# KiCad board openot rev2.kicad_pcb
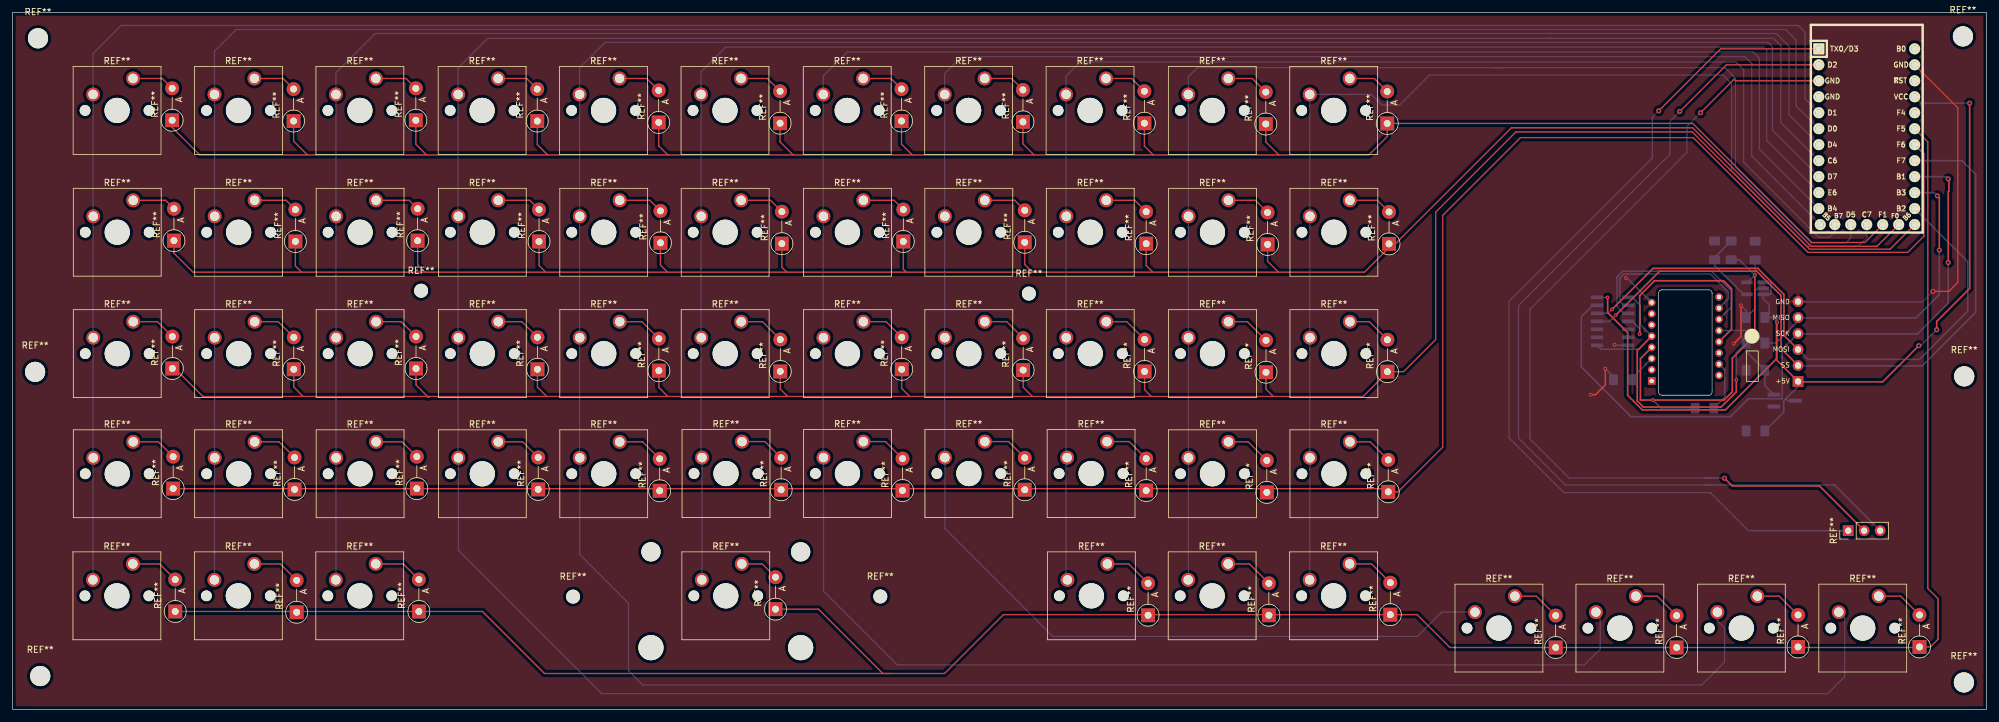
[diagram p0: board, top side]
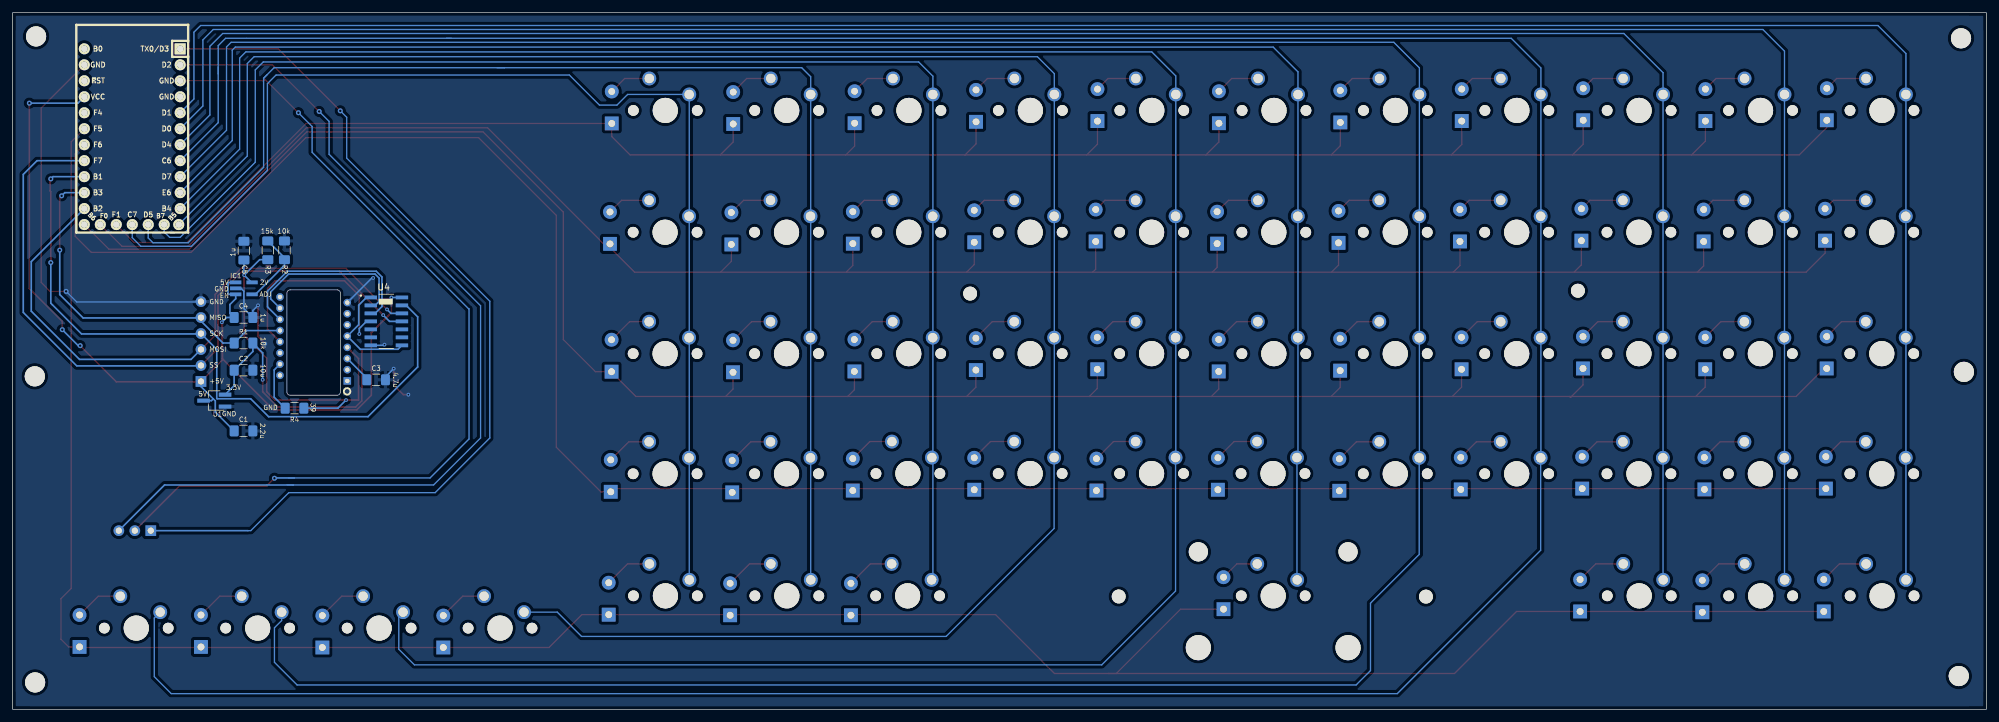
[diagram p1: board, bottom side, seen from below]

Outline 313.79 x 110.79 mm; copper layers: Top, Bottom. Coordinates in mm from the lower left corner of the outline.
Outline path: rectangle 0,110.79 313.79,0 ; 261.68,66.21 arc(261.83,66.56) 262.18,66.71 269.68,66.71 arc(270.04,66.56) 270.18,66.21 270.18,50.46 arc(270.04,50.1) 269.68,49.96 262.18,49.96 arc(261.83,50.1) 261.68,50.46 261.68,66.21
Stack: Top 0.035mm / dielectric 1.51mm FR4 er 4.5 / Bottom 0.035mm

## Placement (name value [footprint] x y rotation side)
C1  2.2uF  [C_1206_3216Metric_Pad1.42x1.75mm_HandSolder]  277.08 44.28 180 bottom
C2  10uF  [C_1206_3216Metric_Pad1.42x1.75mm_HandSolder]  277.08 53.93 180 bottom
C3  4.7uF  [C_1206_3216Metric_Pad1.42x1.75mm_HandSolder]  256 52.41 180 bottom
C4  1uF  [C_1206_3216Metric_Pad1.42x1.75mm_HandSolder]  277.08 62.32 180 bottom
C5  1uF  [C_1206_3216Metric_Pad1.42x1.75mm_HandSolder]  277.02 72.95 90 bottom
IC1  AP7335-WG-7  [AP7331]  277.02 66.95 180 bottom
J1  Conn_01x06_Female  [PinHeader_1x06_P2.54mm_Vertical]  283.85 64.85 0 top
NOREF  -  []  266.42 76.86 0 top
NOREF#2  -  []  265.58 76.75 0 top
R1  10k  [R_1206_3216Metric_Pad1.42x1.75mm_HandSolder]  277.08 58.25 0 bottom
R2  10k  [R_1206_3216Metric_Pad1.42x1.75mm_HandSolder]  270.57 73 90 bottom
R3  15k  [R_1206_3216Metric_Pad1.42x1.75mm_HandSolder]  273.22 73 270 bottom
R4  39  [R_1206_3216Metric_Pad1.42x1.75mm_HandSolder]  268.97 47.9 0 bottom
REF**  -  [SW_Cherry_MX_1.00u_PCB]  96.52 61.65 0 top
REF**#2  -  [D_DO-41_SOD81_P5.08mm_Vertical_AnodeUp]  122.18 34.93 90 top
REF**#3  -  [SW_Cherry_MX_1.00u_PCB]  57.75 100.32 0 top
REF**#4  -  [MountingHole_3.2mm_M3]  310.06 107.01 0 top
REF**#5  -  [SW_Cherry_MX_1.00u_PCB]  57.73 23.14 0 top
REF**#6  -  [D_DO-41_SOD81_P5.08mm_Vertical_AnodeUp]  25.53 35.11 90 top
REF**#7  -  [SW_Cherry_MX_1.00u_PCB]  173.86 61.65 0 top
REF**#8  -  [D_DO-41_SOD81_P5.08mm_Vertical_AnodeUp]  179.96 53.74 90 top
REF**#9  -  [MountingHole_2.2mm_M2]  137.95 17.96 0 top
REF**#10  -  [D_DO-41_SOD81_P5.08mm_Vertical_AnodeUp]  102.71 93.33 90 top
REF**#11  -  [SW_Cherry_MX_1.00u_PCB]  174.04 23.14 0 top
REF**#12  -  [SW_Cherry_MX_1.00u_PCB]  135.26 42.58 0 top
REF**#13  -  [MountingHole_3.2mm_M3]  310.26 52.96 0 top
REF**#14  -  [D_DO-41_SOD81_P5.08mm_Vertical_AnodeUp]  25.65 74.53 90 top
REF**#15  -  [D_DO-41_SOD81_P5.08mm_Vertical_AnodeUp]  180.52 14.98 90 top
REF**#16  -  [D_DO-41_SOD81_P5.08mm_Vertical_AnodeUp]  25.37 93.68 90 top
REF**#17  -  [D_DO-41_SOD81_P5.08mm_Vertical_AnodeUp]  122.05 53.74 90 top
REF**#18  -  [SW_Cherry_MX_1.00u_PCB]  19.18 80.95 0 top
REF**#19  -  [SW_Cherry_MX_1.00u_PCB]  115.82 80.95 0 top
REF**#20  -  [SW_Cherry_MX_2.75u_PCB]  115.93 23.14 0 top
REF**#21  -  [D_DO-41_SOD81_P5.08mm_Vertical_AnodeUp]  218.69 34.6 90 top
REF**#22  -  [D_DO-41_SOD81_P5.08mm_Vertical_AnodeUp]  83.44 54.08 90 top
REF**#23  -  [D_DO-41_SOD81_P5.08mm_Vertical_AnodeUp]  44.96 74.4 90 top
REF**#24  -  [D_DO-41_SOD81_P5.08mm_Vertical_AnodeUp]  102.87 34.76 90 top
REF**#25  -  [SW_Cherry_MX_1.00u_PCB]  212.55 23.14 0 top
REF**#26  -  [D_DO-41_SOD81_P5.08mm_Vertical_AnodeUp]  141.48 34.8 90 top
REF**#27  -  [SW_Cherry_MX_1.00u_PCB]  19.15 100.32 0 top
REF**#28  -  [MountingHole_2.2mm_M2]  64.95 66.57 0 top
REF**#29  -  [SW_Cherry_MX_1.00u_PCB]  77.22 80.95 0 top
REF**#30  -  [D_DO-41_SOD81_P5.08mm_Vertical_AnodeUp]  25.4 54.21 90 top
REF**#31  -  [SW_Cherry_MX_1.00u_PCB]  38.43 23.14 0 top
REF**#32  -  [D_DO-41_SOD81_P5.08mm_Vertical_AnodeUp]  64.59 15.57 90 top
REF**#33  -  [D_DO-41_SOD81_P5.08mm_Vertical_AnodeUp]  160.62 93.42 90 top
REF**#34  -  [MountingHole_3.2mm_M3]  3.58 53.67 0 top
REF**#35  -  [D_DO-41_SOD81_P5.08mm_Vertical_AnodeUp]  303.15 9.94 90 top
REF**#36  -  [D_DO-41_SOD81_P5.08mm_Vertical_AnodeUp]  160.91 74.27 90 top
REF**#37  -  [SW_Cherry_MX_1.00u_PCB]  38.48 61.65 0 top
REF**#38  -  [SW_Cherry_MX_1.00u_PCB]  57.78 42.54 0 top
REF**#39  -  [SW_Cherry_MX_1.00u_PCB]  19.18 42.54 0 top
REF**#40  -  [D_DO-41_SOD81_P5.08mm_Vertical_AnodeUp]  45.16 15.45 90 top
REF**#41  -  [SW_Cherry_MX_1.00u_PCB]  193.29 42.54 0 top
REF**#42  -  [SW_Cherry_MX_1.00u_PCB]  38.48 42.54 0 top
REF**#43  -  [D_DO-41_SOD81_P5.08mm_Vertical_AnodeUp]  102.74 53.86 90 top
REF**#44  -  [D_DO-41_SOD81_P5.08mm_Vertical_AnodeUp]  25.86 15.57 90 top
REF**#45  -  [MountingHole_3.2mm_M3]  4.04 106.71 0 top
REF**#46  -  [SW_Cherry_MX_1.00u_PCB]  115.96 42.58 0 top
REF**#47  -  [D_DO-41_SOD81_P5.08mm_Vertical_AnodeUp]  283.85 9.94 90 top
REF**#48  -  [SW_Cherry_MX_1.00u_PCB]  296.67 18.01 0 top
REF**#49  -  [SW_Cherry_MX_1.00u_PCB]  135.22 100.32 0 top
REF**#50  -  [D_DO-41_SOD81_P5.08mm_Vertical_AnodeUp]  245.31 9.84 90 top
REF**#51  -  [D_DO-41_SOD81_P5.08mm_Vertical_AnodeUp]  218.54 93.17 90 top
REF**#52  -  [SW_Cherry_MX_1.00u_PCB]  96.49 100.32 0 top
REF**#53  -  [D_DO-41_SOD81_P5.08mm_Vertical_AnodeUp]  218.82 74.02 90 top
REF**#54  -  [SW_Cherry_MX_1.00u_PCB]  173.86 80.95 0 top
REF**#55  -  [SW_Cherry_MX_1.00u_PCB]  135.25 80.95 0 top
REF**#56  -  [D_DO-41_SOD81_P5.08mm_Vertical_AnodeUp]  160.65 53.95 90 top
REF**#57  -  [D_DO-41_SOD81_P5.08mm_Vertical_AnodeUp]  64.26 35.11 90 top
REF**#58  -  [D_DO-41_SOD81_P5.08mm_Vertical_AnodeUp]  64.1 93.68 90 top
REF**#59  -  [SW_Cherry_MX_1.00u_PCB]  135.25 61.65 0 top
REF**#60  -  [D_DO-41_SOD81_P5.08mm_Vertical_AnodeUp]  180.21 74.06 90 top
REF**#61  -  [SW_Cherry_MX_1.00u_PCB]  77.19 100.32 0 top
REF**#62  -  [SW_Cherry_MX_1.00u_PCB]  77.22 42.54 0 top
REF**#63  -  [SW_Cherry_MX_1.00u_PCB]  193.29 80.95 0 top
REF**#64  -  [SW_Cherry_MX_1.00u_PCB]  57.78 80.95 0 top
REF**#65  -  [SW_Cherry_MX_1.00u_PCB]  212.6 80.95 0 top
REF**#66  -  [SW_Cherry_MX_1.00u_PCB]  212.57 100.32 0 top
REF**#67  -  [D_DO-41_SOD81_P5.08mm_Vertical_AnodeUp]  264.54 9.84 90 top
REF**#68  -  [D_DO-41_SOD81_P5.08mm_Vertical_AnodeUp]  83.69 74.4 90 top
REF**#69  -  [D_DO-41_SOD81_P5.08mm_Vertical_AnodeUp]  199.23 93.08 90 top
REF**#70  -  [SW_Cherry_MX_1.00u_PCB]  173.83 100.32 0 top
REF**#71  -  [D_DO-41_SOD81_P5.08mm_Vertical_AnodeUp]  83.41 93.55 90 top
REF**#72  -  [SW_Cherry_MX_1.00u_PCB]  173.99 42.58 0 top
REF**#73  -  [SW_Cherry_MX_1.00u_PCB]  212.6 42.54 0 top
REF**#74  -  [D_DO-41_SOD81_P5.08mm_Vertical_AnodeUp]  179.93 93.21 90 top
REF**#75  -  [PinHeader_1x03_P2.54mm_Vertical]  291.82 28.42 90 top
REF**#76  -  [D_DO-41_SOD81_P5.08mm_Vertical_AnodeUp]  44.7 54.08 90 top
REF**#77  -  [D_DO-41_SOD81_P5.08mm_Vertical_AnodeUp]  199.39 34.51 90 top
REF**#78  -  [SW_Cherry_MX_1.00u_PCB]  57.78 61.65 0 top
REF**#79  -  [D_DO-41_SOD81_P5.08mm_Vertical_AnodeUp]  44.67 93.55 90 top
REF**#80  -  [D_DO-41_SOD81_P5.08mm_Vertical_AnodeUp]  141.32 93.55 90 top
REF**#81  -  [SW_Cherry_MX_1.00u_PCB]  96.52 80.95 0 top
REF**#82  -  [SW_Cherry_MX_1.00u_PCB]  115.79 100.32 0 top
REF**#83  -  [SW_Cherry_MX_1.00u_PCB]  277.37 18.01 0 top
REF**#84  -  [D_DO-41_SOD81_P5.08mm_Vertical_AnodeUp]  122.3 74.06 90 top
REF**#85  -  [D_DO-41_SOD81_P5.08mm_Vertical_AnodeUp]  218.57 53.7 90 top
REF**#86  -  [D_DO-41_SOD81_P5.08mm_Vertical_AnodeUp]  141.61 74.4 90 top
REF**#87  -  [D_DO-41_SOD81_P5.08mm_Vertical_AnodeUp]  180.22 34.8 90 top
REF**#88  -  [D_DO-41_SOD81_P5.08mm_Vertical_AnodeUp]  64.14 54.21 90 top
REF**#89  -  [D_DO-41_SOD81_P5.08mm_Vertical_AnodeUp]  83.57 34.98 90 top
REF**#90  -  [D_DO-41_SOD81_P5.08mm_Vertical_AnodeUp]  64.39 74.53 90 top
REF**#91  -  [SW_Cherry_MX_1.00u_PCB]  77.22 61.65 0 top
REF**#92  -  [SW_Cherry_MX_1.00u_PCB]  258.06 18.01 0 top
REF**#93  -  [SW_Cherry_MX_1.00u_PCB]  154.56 42.58 0 top
REF**#94  -  [SW_Cherry_MX_1.00u_PCB]  154.53 100.32 0 top
REF**#95  -  [D_DO-41_SOD81_P5.08mm_Vertical_AnodeUp]  122.02 93.21 90 top
REF**#96  -  [SW_Cherry_MX_1.00u_PCB]  193.24 23.14 0 top
REF**#97  -  [SW_Cherry_MX_1.00u_PCB]  38.45 100.32 0 top
REF**#98  -  [SW_Cherry_MX_1.00u_PCB]  19.13 23.14 0 top
REF**#99  -  [SW_Cherry_MX_1.00u_PCB]  238.84 18.01 0 top
REF**#100  -  [D_DO-41_SOD81_P5.08mm_Vertical_AnodeUp]  219.02 15.07 90 top
REF**#101  -  [MountingHole_2.2mm_M2]  161.57 66.12 0 top
REF**#102  -  [D_DO-41_SOD81_P5.08mm_Vertical_AnodeUp]  160.91 34.93 90 top
REF**#103  -  [MountingHole_3.2mm_M3]  4.39 5.31 0 top
REF**#104  -  [D_DO-41_SOD81_P5.08mm_Vertical_AnodeUp]  141.35 54.08 90 top
REF**#105  -  [SW_Cherry_MX_1.00u_PCB]  193.29 61.65 0 top
REF**#106  -  [SW_Cherry_MX_1.00u_PCB]  115.82 61.65 0 top
REF**#107  -  [SW_Cherry_MX_1.00u_PCB]  38.48 80.95 0 top
REF**#108  -  [D_DO-41_SOD81_P5.08mm_Vertical_AnodeUp]  199.72 14.98 90 top
REF**#109  -  [D_DO-41_SOD81_P5.08mm_Vertical_AnodeUp]  199.52 73.93 90 top
REF**#110  -  [SW_Cherry_MX_1.00u_PCB]  212.6 61.65 0 top
REF**#111  -  [SW_Cherry_MX_1.00u_PCB]  154.56 80.95 0 top
REF**#112  -  [SW_Cherry_MX_1.00u_PCB]  96.52 42.54 0 top
REF**#113  -  [D_DO-41_SOD81_P5.08mm_Vertical_AnodeUp]  44.83 34.98 90 top
REF**#114  -  [SW_Cherry_MX_1.00u_PCB]  19.18 61.65 0 top
REF**#115  -  [D_DO-41_SOD81_P5.08mm_Vertical_AnodeUp]  103 74.18 90 top
REF**#116  -  [MountingHole_2.2mm_M2]  89.1 17.93 0 top
REF**#117  -  [D_DO-41_SOD81_P5.08mm_Vertical_AnodeUp]  199.26 53.61 90 top
REF**#118  -  [D_DO-41_SOD81_P5.08mm_Vertical_AnodeUp]  121.29 15.94 90 top
REF**#119  -  [SW_Cherry_MX_1.00u_PCB]  193.26 100.32 0 top
REF**#120  -  [MountingHole_3.2mm_M3]  310.21 4.29 0 top
REF**#121  -  [SW_Cherry_MX_1.00u_PCB]  154.56 61.65 0 top
U1  -  [Elite-C]  294.77 91.06 270 top
U1#2  XC6206P332MR  [TSOT-23_HandSoldering]  281.72 49.1 0 bottom
U2  PMW3360DM-T2QU  [DIP-16_W10.16mm]  261.68 50.71 0 bottom
U4  TXS0104EDR  [SOIC127P600X175-14N]  254.37 61.7 180 bottom

## Library data of the parts
C1 = -: LCSC: C1858
C2 = -: LCSC: C152957
C3 = -: LCSC: C29823
C4 C5 = -: LCSC: C1926
IC1 = -: Description: LDO Voltage Regulators LDO SOT-25 ADJUSTABLE 300MA; Arrow Part Number: AP7331-WG-7; Arrow Price/Stock: https://www.arrow.com/en/products/ap7331-wg-7/diodes-incorporated?region=nac; Height: 1.45; LCSC: C460382; Manufacturer_Name: Diodes Inc.; Manufacturer_Part_Number: AP7331-WG-7; Mouser Part Number: 621-AP7331-WG-7; Mouser Price/Stock: https://www.mouser.co.uk/ProductDetail/Diodes-Incorporated/AP7331-WG-7?qs=vIZ3oKQCLxr9PiNSCoXN%2FQ%3D%3D
R1 R2 = -: LCSC: C328409
R3 = -: LCSC: C351534
R4 = -: LCSC: C153384
U1#2 = -: LCSC: C347376
U4 = -: LCSC: C79342

## Footprints (pads in the part's own frame, mm; a bottom-side part is the same pattern mirrored in y, then rotated)
AP7331
  rect 1.8x0.6 smd: 1(-1.3,0.95) 2(-1.3,0) 3(-1.3,-0.95) 4(1.3,-0.95) 5(1.3,0.95)
C_1206_3216Metric_Pad1.42x1.75mm_HandSolder
  rrect 1.425x1.75 smd: 1(-1.488,0) 2(1.488,0)
D_DO-41_SOD81_P5.08mm_Vertical_AnodeUp
  rect 2.2x2.2 hole 1.1: 1(0,0)
  oval 2.2x2.2 hole 1.1: 2(5.08,0)
DIP-16_W10.16mm
  rect 1.2x1.2 hole 0.7: 1(-1.1,-1.52)
  round 1.2 hole 0.7: 2(-1.1,-3.3) 3(-1.1,-5.08) 4(-1.1,-6.86) 5(-1.1,-8.64) 6(-1.1,-10.42) 7(-1.1,-12.2) 8(-1.1,-13.98) 9(9.6,-14.87) 10(9.6,-13.09) 11(9.6,-11.31) 12(9.6,-9.53) 13(9.6,-7.75) 14(9.6,-5.97) 15(9.6,-4.19) 16(9.6,-2.41)
Elite-C
  rect 1.753x1.753 hole 1.092: 1(-13.97,-7.62)
  round 1.753 hole 1.092: 2(-11.43,-7.62) 3(-8.89,-7.62) 4(-6.35,-7.62) 5(-3.81,-7.62) 6(-1.27,-7.62) 7(1.27,-7.62) 8(3.81,-7.62) 9(6.35,-7.62) 10(8.89,-7.62) 11(11.43,-7.62) 12(13.97,-7.391) 13(13.97,7.62) 14(11.43,7.62) 15(8.89,7.62) 16(6.35,7.62) 17(3.81,7.62) 18(1.27,7.62) 19(-1.27,7.62) 20(-3.81,7.62) 21(-6.35,7.62) 22(-8.89,7.62) 23(-11.43,7.62) 24(-13.97,7.62) 25(13.97,-5.08) 26(13.97,-2.54) 27(13.97,0) 28(13.97,2.54) 29(13.97,5.08)
MountingHole_2.2mm_M2
  round 2.2 hole 2.2 unplated: (0,0)
MountingHole_3.2mm_M3
  round 3.2 hole 3.2 unplated: (0,0)
PinHeader_1x03_P2.54mm_Vertical
  rect 1.7x1.7 hole 1: 1(0,0)
  oval 1.7x1.7 hole 1: 2(0,-2.54) 3(0,-5.08)
PinHeader_1x06_P2.54mm_Vertical
  oval 1.7x1.7 hole 1: 1(0,0) 2(0,-2.54) 3(0,-5.08) 4(0,-7.62) 5(0,-10.16)
  rect 1.7x1.7 hole 1: 6(0,-12.7)
R_1206_3216Metric_Pad1.42x1.75mm_HandSolder
  rrect 1.425x1.75 smd: 1(-1.488,0) 2(1.488,0)
SOIC127P600X175-14N
  rect 1.97x0.6 smd: 1(-2.475,3.81) 2(-2.475,2.54) 3(-2.475,1.27) 4(-2.475,0) 5(-2.475,-1.27) 6(-2.475,-2.54) 7(-2.475,-3.81) 8(2.475,-3.81) 9(2.475,-2.54) 10(2.475,-1.27) 11(2.475,0) 12(2.475,1.27) 13(2.475,2.54) 14(2.475,3.81)
SW_Cherry_MX_1.00u_PCB
  round 1.7 hole 1.7 unplated: (-7.62,-5.08) (2.54,-5.08)
  round 4 hole 4 unplated: (-2.54,-5.08)
  round 2.2 hole 1.5: 1(0,0) 2(-6.35,-2.54)
SW_Cherry_MX_2.75u_PCB
  round 3.05 hole 3.05 unplated: (-14.44,1.92) (9.36,1.92)
  round 4 hole 4 unplated: (-14.44,-13.32) (-2.54,-5.08) (9.36,-13.32)
  round 1.7 hole 1.7 unplated: (-7.62,-5.08) (2.54,-5.08)
  round 2.2 hole 1.5: 1(0,0) 2(-6.35,-2.54)
TSOT-23_HandSoldering
  rect 2x0.65 smd: 1(-1.71,0.95) 2(-1.71,-0.95) 3(1.71,0)

## Nets
GND: C1.2 C2.2 C3.2 C4.2 C5.2 IC1.2 J1.1 R2.2 U1#2.1 U2.8 U4.7
VDD_2V: C5.1 IC1.5 R3.2 R4.1 U2.4
VDD_3.3V: C2.1 R1.1 U1#2.2 U2.5 U4.1 U4.8
VDD_5V: C1.1 C4.1 IC1.1 IC1.3 J1.6 U1#2.3 U4.14
MISO: J1.2 R1.2 U2.12
MOSI: U2.11 U4.3
MOSI_I: J1.4 U1.14 U4.12
NCS: U2.13 U4.4
NCS_I: J1.5 U4.11
SCLK: U2.10 U4.2
SCLK_I: J1.3 U4.13
Net-(C3-Pad1): C3.1 U2.3
Net-(IC1-Pad4): IC1.4 R2.1 R3.1
Net-(R4-Pad2): R4.2 U2.15

Pads without a net: REF** 1 2; REF**#2 1 2; REF**#3 1 2; REF**#5 1 2; REF**#6 1 2; REF**#7 1 2; REF**#8 1 2; REF**#10 1 2; REF**#11 1 2; REF**#12 1 2; REF**#14 1 2; REF**#15 1 2; REF**#16 1 2; REF**#17 1 2; REF**#18 1 2; REF**#19 1 2; REF**#20 1 2; REF**#21 1 2; REF**#22 1 2; REF**#23 1 2; REF**#24 1 2; REF**#25 1 2; REF**#26 1 2; REF**#27 1 2; REF**#29 1 2; REF**#30 1 2; REF**#31 1 2; REF**#32 1 2; REF**#33 1 2; REF**#35 1 2; REF**#36 1 2; REF**#37 1 2; REF**#38 1 2; REF**#39 1 2; REF**#40 1 2; REF**#41 1 2; REF**#42 1 2; REF**#43 1 2; REF**#44 1 2; REF**#46 1 2; REF**#47 1 2; REF**#48 1 2; REF**#49 1 2; REF**#50 1 2; REF**#51 1 2; REF**#52 1 2; REF**#53 1 2; REF**#54 1 2; REF**#55 1 2; REF**#56 1 2; REF**#57 1 2; REF**#58 1 2; REF**#59 1 2; REF**#60 1 2; REF**#61 1 2; REF**#62 1 2; REF**#63 1 2; REF**#64 1 2; REF**#65 1 2; REF**#66 1 2; REF**#67 1 2; REF**#68 1 2; REF**#69 1 2; REF**#70 1 2; REF**#71 1 2; REF**#72 1 2; REF**#73 1 2; REF**#74 1 2; REF**#75 1 2 3; REF**#76 1 2; REF**#77 1 2; REF**#78 1 2; REF**#79 1 2; REF**#80 1 2; REF**#81 1 2; REF**#82 1 2; REF**#83 1 2; REF**#84 1 2; REF**#85 1 2; REF**#86 1 2; REF**#87 1 2; REF**#88 1 2; REF**#89 1 2; REF**#90 1 2; REF**#91 1 2; REF**#92 1 2; REF**#93 1 2; REF**#94 1 2; REF**#95 1 2; REF**#96 1 2; REF**#97 1 2; REF**#98 1 2; REF**#99 1 2; REF**#100 1 2; REF**#102 1 2; REF**#104 1 2; REF**#105 1 2; REF**#106 1 2; REF**#107 1 2; REF**#108 1 2; REF**#109 1 2; REF**#110 1 2; REF**#111 1 2; REF**#112 1 2; REF**#113 1 2; REF**#114 1 2; REF**#115 1 2; REF**#117 1 2; REF**#118 1 2; REF**#119 1 2; REF**#121 1 2; U1 1 2 3 4 5 6 7 8 9 10 11 12 13 15 16 17 18 19 20 21 22 23 24 25 26 27 28 29; U2 1 2 6 7 9 14 16; U4 5 6 9 10

## Via types
v1: diameter 0.8, hole 0.4, Top to Bottom, 12 vias
v2: diameter 0.6, hole 0.3, Top to Bottom, 14 vias

## Routing (per net, layer and track width the routed paths; a pad name or vN(x,y) marks a point on that pad's centre or on a via; arc(x,y) is an arc through that point)
GND: length 95.5
  Top w0.2: 302.39,102.49 309.25,95.63 309.25,67.89 307.82,66.47 v1(305.28,66.47)
  Top w0.25: v2(273.62,58.15) 274.77,59.3 v2(274.77,64.25) ; v2(253.2,54.19) 253.2,51.59 251.66,50.05 v2(250.87,50.05)
  Bottom w0.2: 283.4,64.78 303.59,64.78 v1(305.28,66.47)
  Bottom w0.25: v2(274.77,64.25) 275.59,63.42 C4.2 277.02,63.74 277.02,66.5 277.47,66.95 IC1.2 ; U4.7 254.78,57.89 v2(254.67,58) ; U2.8 256.67,68.6 v2(256.47,68.6) ; C3.2 254.51,52.88 v2(253.2,54.19)
VDD_2V: length 60.5
  Top w0.25: U2.4 258.79,55.78 258.79,49.18 v2(260.78,49.18) 272.08,49.18 273.4,50.51 273.4,55.84 276.97,59.41 v2(276.97,69.05)
  Bottom w0.25: v2(276.97,69.05) 274.51,71.51 R3.2 ; v2(276.97,69.05) 277.02,69.1 C5.1 ; v2(276.97,69.05) 275.82,67.9 IC1.5 ; R4.1 262.07,47.9 v2(260.78,49.18)
VDD_3.3V: length 64.8
  Top w0.25: U2.5 258.28,57.05 258.28,49.06 259.27,48.07 271.6,48.07 274.03,50.5 v2(274.03,52.41)
  Bottom w0.25: U4.8 252.52,57.26 258.49,57.26 U2.5 258.77,61.16 258.77,64.27 257.53,65.51 U4.1 ; v2(274.03,52.41) 274.03,56.69 R1.1 275.59,56.91 C2.1 278.57,51.48 280,50.05 U1#2.2
VDD_5V: length 159.3
  Top w0.25: 280.44,61.36 280.44,55.77 272.29,47.62 259.08,47.62 256.76,49.94 256.76,59.91 253.57,63.1 v2(253.57,65.5) ; 280.44,61.36 280.52,61.44 v2(280.52,61.55) ; 280.44,61.36 280.44,55.55 J1.6 ; v1(305.89,60.38) 305.89,61.7 311.12,66.93 v1(311.12,96.39) ; v1(303.05,57.84) 297.29,52.08 283.4,52.08
  Bottom w0.25: v1(305.89,60.38) 303.35,57.84 v1(303.05,57.84) ; 302.39,97.41 303.4,96.39 v1(311.12,96.39) ; U4.14 251.91,65.5 v2(253.57,65.5) ; 281.89,49.38 281.56,49.05 281.56,47.28 C1.1 ; 281.89,49.38 282.17,49.1 U1#2.3 ; 281.89,49.38 283.85,51.33 J1.6 ; C4.1 279.25,62.99 279.25,64.37 278.32,65.3 IC1.3 279.47,66 279.55,66.07 279.55,67.82 279.47,67.9 IC1.1 ; C4.1 278.28,62.6 ; C4.1 279.76,62.32 v2(280.52,61.55)
(no net): length 6370.4
  Top w0.2: REF**#80.1 141.32,89.87 143.03,88.16 ; REF**#2.2 119.6,42.58 REF**#46.1 ; REF**#84.1 122.3,70.28 123.06,69.52 ; REF**#87.2 177.51,42.58 REF**#72.1 ; REF**#89.2 81.08,42.54 REF**#62.1 ; REF**#17.1 122.05,50.93 123.22,49.76 ; 46.2,49.76 44.7,51.26 REF**#76.1 ; 46.2,49.76 30.25,49.76 25.8,54.21 REF**#30.1 ; 46.2,49.76 66.27,49.76 ; 142.06,69.52 141.61,69.98 REF**#86.1 ; 142.06,69.52 123.06,69.52 ; 142.06,69.52 162.13,69.52 ; 124.08,88.16 122.02,90.23 REF**#95.1 ; 124.08,88.16 104.17,88.16 ; 124.08,88.16 143.03,88.16 ; 104.11,69.52 123.06,69.52 ; 104.11,69.52 103,70.64 REF**#115.1 ; 104.11,69.52 84.76,69.52 ; v1(265.05,95.07) 272.47,102.49 U1.2 ; REF**#60.1 180.21,70.59 181.18,69.62 181.18,69.52 ; 181.03,49.76 179.96,50.83 REF**#8.1 ; 181.03,49.76 200.43,49.76 ; 181.03,49.76 162.13,49.76 ; REF**#51.2 216.47,100.32 REF**#66.1 ; 143.03,88.16 162.38,88.16 ; 84.76,69.52 83.69,70.59 REF**#68.1 ; 84.76,69.52 65.56,69.52 ; REF**#3.1 62.54,100.32 REF**#58.2 ; REF**#11.1 177.43,23.14 REF**#15.2 ; REF**#53.2 216.97,80.95 REF**#65.1 ; REF**#18.1 24.31,80.95 25.65,79.61 ; REF**#104.2 138.87,61.65 REF**#59.1 ; REF**#97.1 42.99,100.32 REF**#79.2 ; REF**#80.2 139.63,100.32 REF**#49.1 ; REF**#77.2 196.43,42.54 REF**#41.1 ; 162.38,88.16 181.33,88.16 ; 162.38,88.16 160.62,89.92 REF**#33.1 ; REF**#37.1 42.22,61.65 REF**#76.2 ; REF**#30.2 23.04,61.65 REF**#114.1 ; REF**#71.1 83.41,89.82 85.06,88.16 ; REF**#60.2 178.4,80.95 REF**#54.1 ; 46.86,88.16 44.67,90.35 REF**#79.1 ; 46.86,88.16 65.81,88.16 ; 46.86,88.16 29.74,88.16 25.37,92.54 REF**#16.1 ; 181.18,69.52 201.24,69.52 ; 181.18,69.52 162.13,69.52 ; 201.24,69.52 199.52,71.25 REF**#109.1 ; 201.24,69.52 214.91,69.52 218.82,73.43 REF**#53.1 219.82,74.02 238.28,92.48 267.08,92.48 285.88,73.69 ; REF**#96.1 196.64,23.14 REF**#108.2 ; 123.22,49.76 142.62,49.76 ; 123.22,49.76 104.17,49.76 ; U1.29 296.39,73.63 285.88,73.63 ; U1.1 271.55,105.03 v1(261.7,95.17) ; 65.81,88.16 85.06,88.16 ; 65.81,88.16 64.1,89.87 REF**#58.1 ; REF**#48.1 300.16,18.01 REF**#35.2 ; REF**#17.2 119.22,61.65 REF**#106.1 ; 139.6,5.72 148.16,5.72 157.51,15.07 REF**#100.1 223.29,15.07 228.51,9.84 REF**#50.1 303.06,9.84 REF**#35.1 304.88,9.94 306.1,11.15 306.1,17.6 304.47,19.23 304.47,90.25 U1.19 ; 139.6,5.72 84.56,5.72 74.7,15.57 REF**#44.1 ; 139.6,5.72 138.33,5.72 128.11,15.94 REF**#118.1 ; REF**#69.1 199.23,90.23 201.3,88.16 ; 85.06,88.16 104.17,88.16 ; REF**#73.1 215.83,42.54 REF**#21.2 ; 66.27,49.76 66.17,49.66 66.07,49.66 64.14,51.59 REF**#88.1 ; 66.27,49.76 84.91,49.76 ; REF**#7.1 177.13,61.65 REF**#8.2 ; REF**#38.1 61.9,42.54 REF**#57.2 ; REF**#36.2 159.31,80.95 REF**#111.1 ; REF**#88.2 61.78,61.65 REF**#78.1 ; REF**#40.2 42.55,23.14 REF**#31.1 ; REF**#74.1 179.93,89.57 181.33,88.16 ; REF**#22.1 83.44,51.23 84.91,49.76 ; REF**#121.1 158.04,61.65 REF**#56.2 ; 200.43,49.76 199.26,50.93 REF**#117.1 ; 200.43,49.76 214.71,49.76 218.57,53.62 REF**#85.1 221.14,53.7 226.24,58.8 226.24,79.07 238.99,91.82 267.03,91.82 285.67,73.18 298.48,73.18 U1.13 ; REF**#43.1 102.74,51.18 104.17,49.76 ; 162.13,49.76 160.65,51.23 REF**#56.1 ; 162.13,49.76 142.62,49.76 ; U1.28 294.46,74.24 286.03,74.24 267.1,93.17 REF**#51.1 218.54,91.08 215.62,88.16 201.3,88.16 ; 142.62,49.76 141.35,51.03 REF**#104.1 ; 181.33,88.16 201.3,88.16 ; REF**#67.2 261.46,18.01 REF**#92.1 ; REF**#50.2 242.23,18.01 REF**#99.1 ; U1.3 273.89,99.95 273.69,100.15 273.63,100.15 v1(268.35,94.87) ; REF**#119.1 197.07,100.32 REF**#69.2 ; REF**#43.2 100.04,61.65 REF**.1 ; REF**#23.2 43.49,80.95 REF**#107.1 ; REF**#90.1 64.39,70.69 65.56,69.52 ; REF**#82.1 119.98,100.32 REF**#95.2 ; REF**#84.2 120.49,80.95 REF**#19.1 ; 104.17,88.16 102.71,89.62 REF**#10.1 ; REF**#25.1 216.03,23.14 REF**#100.2 ; REF**#70.1 177.9,100.32 REF**#74.2 ; REF**#6.2 23.17,42.54 REF**#39.1 ; REF**#98.1 23.37,23.14 REF**#44.2 ; REF**#71.2 81.72,100.32 REF**#61.1 ; 84.91,49.76 104.17,49.76 ; 218.57,58.78 215.7,61.65 REF**#110.1 ; REF**#52.1 100.81,100.32 REF**#10.2 ; REF**#91.1 80.95,61.65 REF**#22.2 ; 285.48,73.64 285.48,73.59 ; REF**#20.1 119.17,23.14 REF**#118.2 ; 45.95,69.52 65.56,69.52 ; 45.95,69.52 28.68,69.52 25.65,72.54 REF**#14.1 ; 45.95,69.52 44.96,70.51 REF**#23.1 ; REF**#83.1 280.85,18.01 REF**#47.2 ; REF**#64.1 63.05,80.95 64.39,79.61 ; REF**#12.1 138.78,42.58 REF**#26.2 ; REF**#24.2 100.17,42.54 REF**#112.1 ; U1.18 303.86,88.32 303.86,75.26 301.27,72.67 285.42,72.67 267.18,90.91 239.7,90.91 227.36,78.56 227.36,41.68 220.27,34.6 REF**#21.1 218.19,35.11 REF**#6.1 ; 162.13,69.52 160.91,70.74 REF**#36.1 ; REF**#93.1 158.34,42.58 REF**#102.2 ; REF**#113.2 42.35,42.54 REF**#42.1 ; REF**#55.1 140.14,80.95 REF**#86.2 ; REF**#115.2 101.31,80.95 REF**#81.1 ; REF**#5.1 62.11,23.14 REF**#32.2 ; REF**#33.2 158.81,100.32 REF**#94.1 ; REF**#27.1 23.81,100.32 REF**#16.2 ; REF**#117.2 196.31,61.65 REF**#105.1 ; REF**#68.2 82.22,80.95 REF**#29.1 ; REF**#63.1 197.58,80.95 REF**#109.2
  Top w0.25: REF**#75.2 287.25,35.53 273.38,35.53 v1(272.16,36.75)
  Bottom w0.2: 273.89,100.36 273.33,100.91 ; 273.89,100.36 273.89,86.18 285.88,74.19 291.47,74.19 292.23,74.96 U1.26 ; 273.89,100.36 272.21,102.03 235.59,102.03 ; 276.58,106.71 279.93,106.71 281.1,105.54 281.1,101.07 ; U1.25 289.69,75.92 288.82,75.06 287.15,75.06 275.21,86.99 275.21,101.68 273.94,102.95 169.75,102.95 167.48,100.68 REF**#70.2 167.48,20.81 REF**#11.2 ; U1.8 281.1,93.29 281.1,101.07 ; REF**#20.2 109.61,20.63 REF**#46.2 109.44,40.21 REF**#82.2 109.44,101.37 113.39,105.31 278.38,105.31 278.87,104.83 278.87,90.45 U1.10 ; REF**#5.2 51.4,20.62 REF**#3.2 51.4,101.24 57.63,107.47 280.39,107.47 282.42,105.44 282.42,94.51 U1.7 ; REF**#98.2 12.8,20.62 REF**#27.2 12.8,104.29 17.25,108.74 283.9,108.74 284.96,107.67 284.96,97.05 U1.5 ; REF**#92.2 252.4,14.78 252.4,9.58 249.91,7.09 140.64,7.09 128.91,18.82 REF**#12.2 128.87,40.08 REF**#49.2 128.87,100.73 132.69,104.55 276.71,104.55 277.7,103.56 277.7,89.08 U1.11 ; 281.1,101.07 281.1,102.13 ; 244.79,106.71 244.07,106.71 ; v1(265.05,95.07) 263.47,93.5 263.47,88.26 239.4,64.19 239.4,43.15 246.86,35.69 270.13,35.69 ; REF**#25.2 206.22,20.62 REF**#66.2 216.01,97.78 217.7,96.09 220.5,96.09 225.27,100.86 271.91,100.86 273.28,99.49 273.28,85.72 285.37,73.63 293.4,73.63 294.77,75.01 U1.27 ; 244.07,106.71 276.53,106.71 ; 244.07,106.71 75.54,106.71 70.84,102 REF**#61.2 70.84,40.04 REF**#62.2 70.87,25.3 93.65,2.51 288.57,2.51 291.26,5.21 291.26,14.53 REF**#48.2 ; U1.6 283.54,95.94 283.54,106.45 281.89,108.1 35.53,108.1 32.1,104.67 REF**#97.2 32.1,20.62 REF**#31.2 ; v1(268.35,94.87) 266.17,92.68 266.17,88.57 241.27,63.68 241.22,63.68 241.22,43 247.42,36.8 269.93,36.8 ; REF**#99.2 227.2,15.47 223.34,11.61 165.38,11.61 148.21,28.77 REF**#93.2 148.18,40.08 REF**#94.2 148.18,101.09 150.88,103.78 275.39,103.78 276.48,102.69 276.48,87.99 U1.12 ; 235.59,102.03 188.34,102.03 186.91,100.6 REF**#119.2 186.91,20.62 REF**#96.2 ; 235.59,102.03 236.76,102.03 ; U1.9 279.78,92.07 279.78,105.33 279.04,106.07 94.21,106.07 90.14,102 REF**#52.2 90.14,40.04 REF**#112.2 90.17,24.64 97.92,16.89 97.92,6.17 100.2,3.89 268.55,3.89 272.16,7.49 272.16,12.98 271.02,14.12 REF**#83.2 ; 276.38,28.42 275.92,28.42 269.88,34.47 246.61,34.47 237.92,43.15 237.92,64.9 260.68,87.66 260.68,94.16 v1(261.7,95.17)
  Bottom w0.25: v1(272.16,36.75) 272.11,36.8 269.01,36.8 ; REF**#75.3 289.64,35.69 269.16,35.69 ; REF**#75.1 276.38,28.42
MISO: length 59.5
  Top w0.25: v1(305.99,81.66) 306.3,81.36 v1(306.3,73.02)
  Bottom w0.25: U2.12 276.58,60.24 R1.2 280.34,58.25 283.85,61.76 J1.2 ; 302.39,82.17 305.49,82.17 v1(305.99,81.66) ; 283.4,62.24 302.58,62.24 306.3,65.96 v1(306.3,73.02)
MOSI: length 32.1
  Bottom w0.25: U2.11 273.27,64.01 273.27,66.51 270.11,69.67 255.98,69.67 255.07,68.76 255.07,64.06 256.16,62.97 U4.3
MOSI_I: length 94.7
  Top w0.25: J1.4 281.59,59.48 281.59,65.98 277.46,70.12 260.8,70.12 v2(254.27,63.6)
  Bottom w0.25: v2(254.27,63.6) 253.64,62.97 U4.12 ; U1.14 310.82,71.2 310.82,63.32 303.15,55.65 285.42,55.65 J1.4
NCS: length 34.6
  Top w0.25: v2(258.67,59.7) 258.67,65.8 261.03,68.16 272,68.16 273.27,66.89 273.27,60.45 U2.13
  Bottom w0.25: v2(258.67,59.7) 258.67,60.56 257.53,61.7 U4.4
NCS_I: length 111.1
  Top w0.25: J1.5 281.14,57.39 281.14,65.8 277.27,69.67 261.85,69.67 v2(254.87,62.7)
  Bottom w0.25: v2(254.87,62.7) 253.87,61.7 U4.11 ; 283.4,54.62 303.59,54.62 312.09,63.12 312.09,85.06 309.91,87.25 302.39,87.25
SCLK: length 27.2
  Bottom w0.25: U2.10 272.76,65.28 272.76,66.38 269.92,69.22 256.17,69.22 255.53,68.59 255.53,64.86 256.16,64.24 U4.2
SCLK_I: length 110.7
  Top w0.25: v1(307.72,84.35) 307.82,84.25 307.82,82.42 307.72,82.32 v1(307.72,71.04)
  Bottom w0.25: v1(307.72,71.04) 307.72,64.59 302.83,59.7 283.4,59.7 ; v1(307.72,84.35) 307.37,84.71 302.39,84.71 ; J1.3 281.34,57.26 281.34,49.46 281.27,49.4 275.94,49.4 273.09,46.55 257.29,46.55 249.39,54.44 249.39,62.42 251.21,64.24 U4.13
Net-(C3-Pad1): length 4.7
  Bottom w0.25: U2.3 257.49,52.69 C3.1
Net-(IC1-Pad4): length 12
  Bottom w0.25: R3.1 270.57,71.83 R2.1 270.57,70.61 275.18,66 IC1.4
Net-(R4-Pad2): length 8.1
  Bottom w0.25: U2.15 272.21,53.97 272.21,49.64 R4.2

## Copper pours and planes (outline as drawn; the poured copper is in the pictures)
GND on Top, Bottom: 330.78,-9.58 -21.36,-11.4 -18.36,125.55 330.23,124.33
(no net) on Top: 321.39,-1.82 -11.2,-4.29 -7.9,120.17 321.14,120.22
(no net) on Bottom: 319.89,120.78 322.94,-2.62 -11.2,-3.53 -9.81,121.02

## Text on the board
B.Silkscreen: 10k | GND | 15k | ADJ | 2V | 3.3V | 5V | EN | MISO | MOSI | +5V | SCK | SS | 4.7u | 39 | 1u | 10u | 2.2u
F.Silkscreen: MISO | MOSI | GND | +5V | SCK | SS
